# KiCad board panel.kicad_pcb (continued)
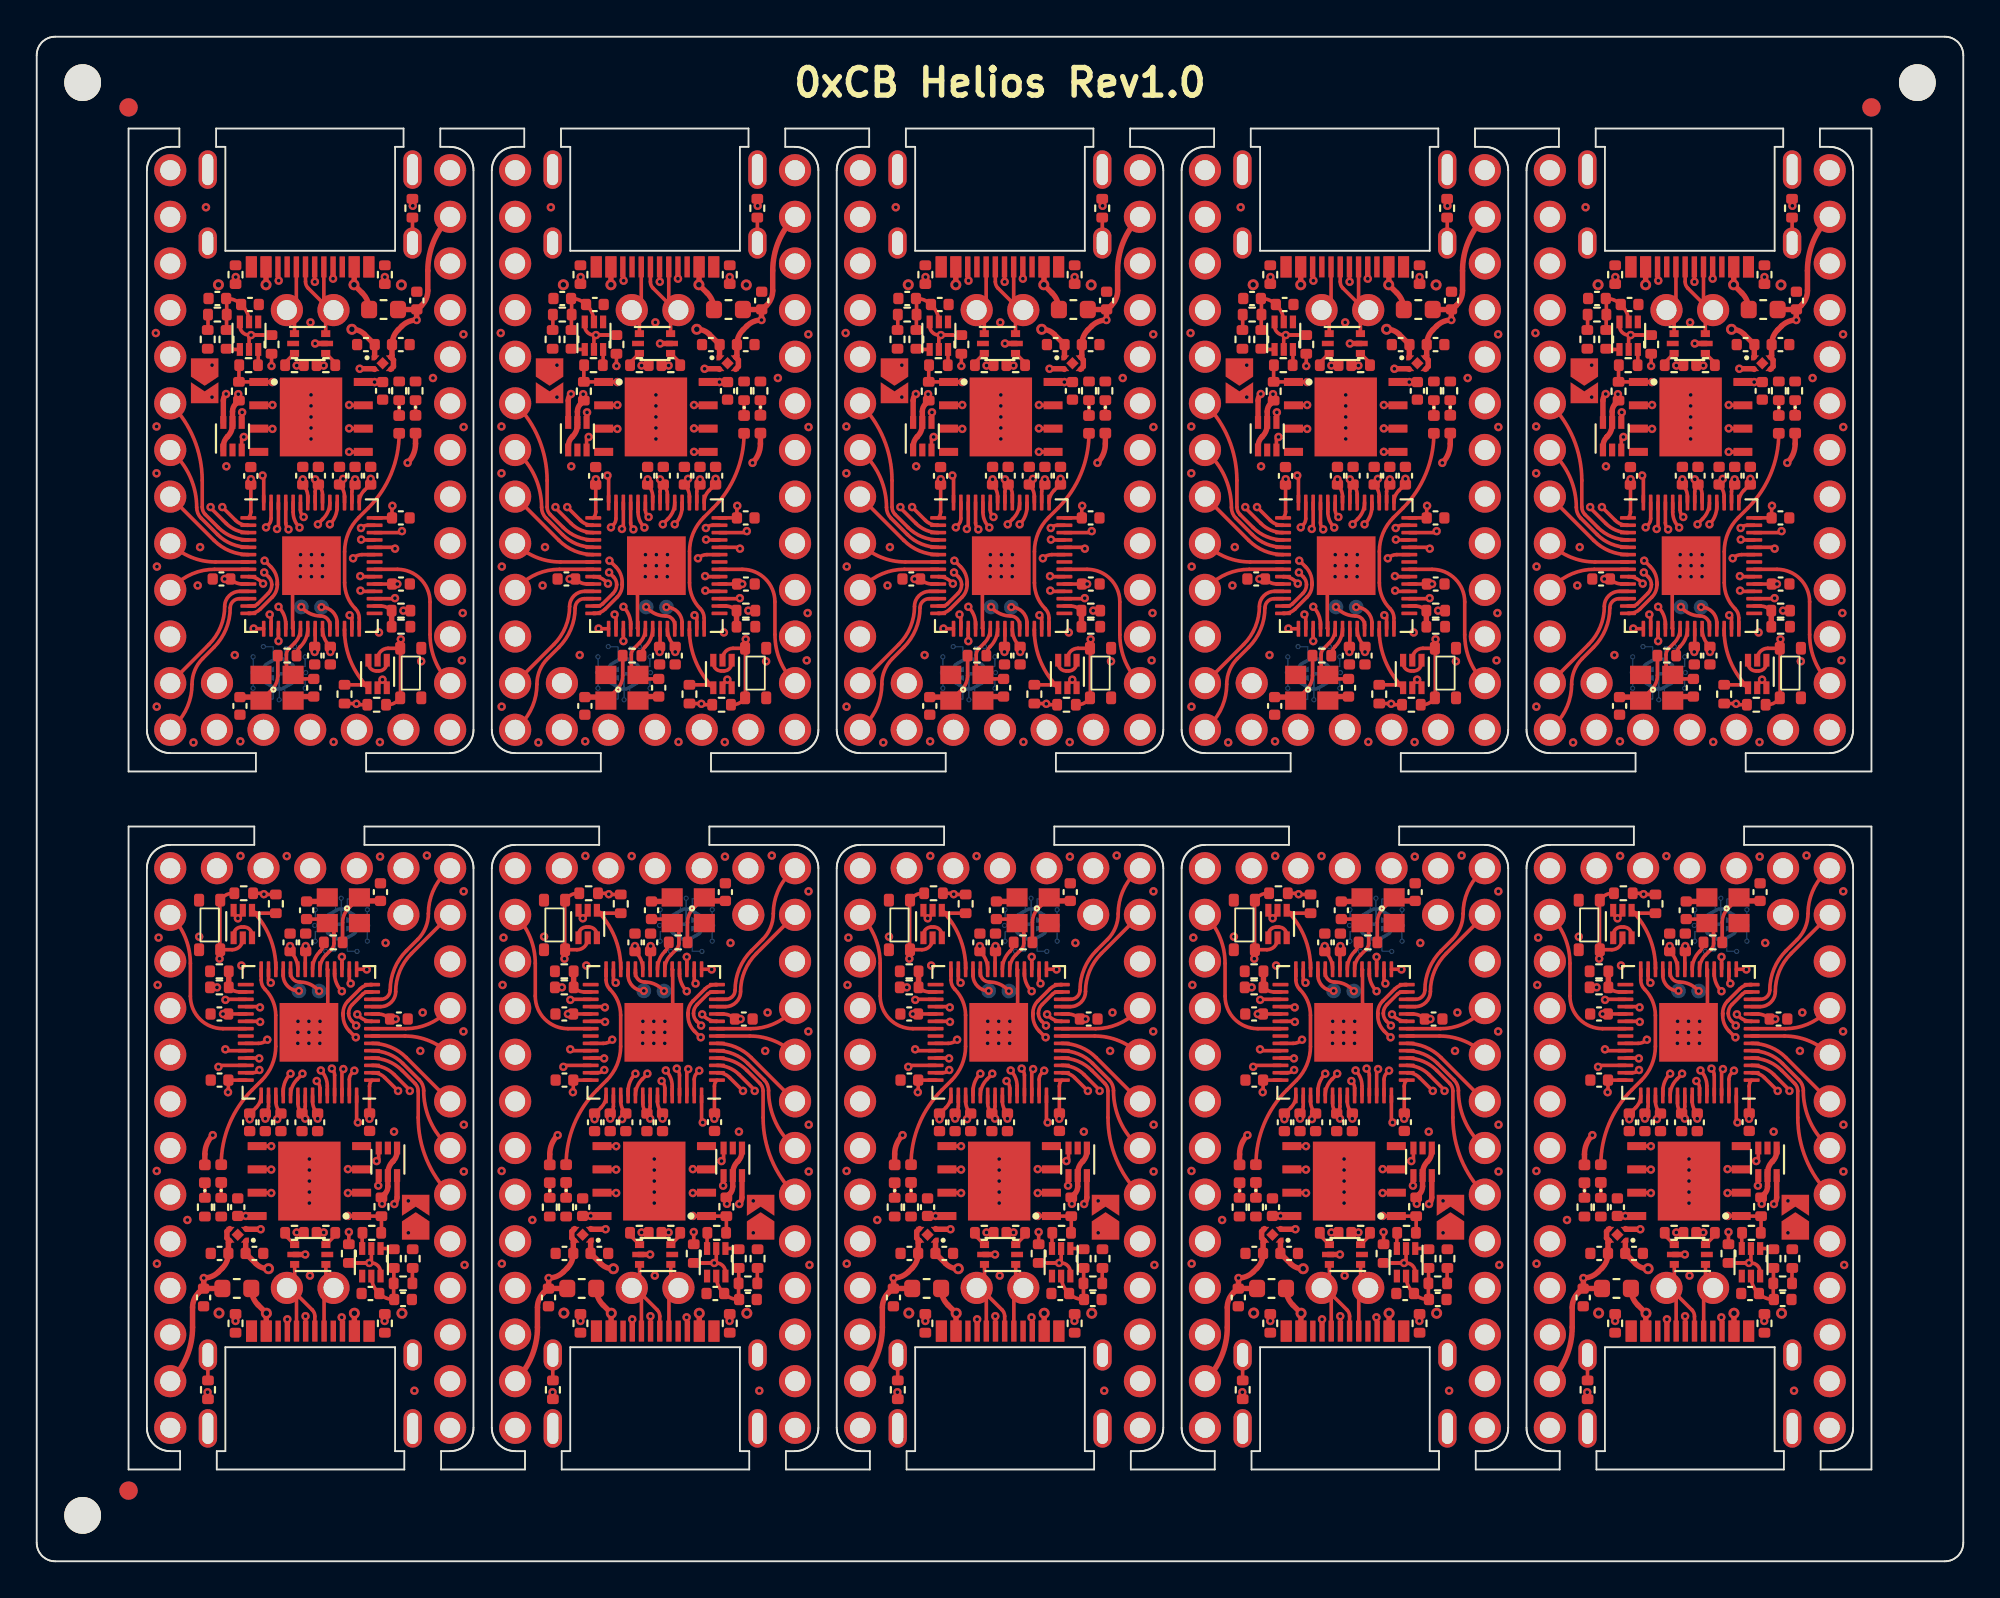
[diagram p0: board, top side]
## Copper pours and planes (outline as drawn; the poured copper is in the pictures) (continued)
Board_8-/11 on In1.Cu: 64.46,8.77 64.38,8.6 64.29,8.47 64.19,8.38 64.09,8.31 63.97,8.27 63.84,8.24 63.7,8.21 63.56,8.18 63.4,8.13 63.24,8.06 63.33,6.93 64.46,7.07 64.5,7.27 64.52,7.44 64.52,7.59 64.52,7.73 64.51,7.86 64.51,8 64.51,8.14 64.53,8.3 64.58,8.49 64.65,8.7
Board_8-/12 on In1.Cu: 75.33,36.31 75.44,36.48 75.55,36.6 75.66,36.68 75.78,36.73 75.9,36.77 76.03,36.79 76.17,36.81 76.32,36.84 76.48,36.88 76.65,36.94 76.6,38.08 75.47,37.98 75.42,37.79 75.4,37.62 75.39,37.47 75.39,37.2 75.38,37.07 75.36,36.93 75.32,36.78 75.26,36.61 75.15,36.41
Board_8-/13 on In1.Cu: 73.87,36 73.88,36.21 73.91,36.38 73.96,36.52 74.03,36.64 74.1,36.74 74.19,36.84 74.28,36.95 74.37,37.07 74.47,37.2 74.56,37.37 73.77,38.19 72.98,37.37 73.07,37.2 73.17,37.07 73.26,36.95 73.35,36.84 73.44,36.74 73.51,36.64 73.58,36.52 73.63,36.38 73.66,36.21 73.67,36
Board_8-/14 on In1.Cu: 72.36,36.39 72.26,36.59 72.2,36.76 72.17,36.92 72.15,37.06 72.14,37.19 72.15,37.32 72.15,37.46 72.14,37.61 72.12,37.78 72.08,37.98 70.94,38.08 70.88,36.95 71.05,36.88 71.21,36.84 71.36,36.81 71.5,36.79 71.63,36.77 71.75,36.73 71.86,36.67 71.97,36.59 72.08,36.46 72.18,36.3
Board_8-/15 on In1.Cu: 70,36.59 69.86,36.74 69.76,36.88 69.7,37.02 69.66,37.15 69.64,37.27 69.63,37.41 69.62,37.54 69.6,37.69 69.57,37.86 69.52,38.04 68.38,38.06 68.4,36.92 68.58,36.87 68.75,36.84 68.9,36.82 69.03,36.81 69.17,36.8 69.29,36.78 69.42,36.74 69.56,36.68 69.7,36.58 69.85,36.44
Board_8-/16 on In1.Cu: 67.44,36.53 67.31,36.7 67.22,36.86 67.16,37 67.13,37.14 67.11,37.27 67.1,37.4 67.09,37.54 67.07,37.68 67.03,37.85 66.98,38.04 65.84,38.06 65.86,36.92 66.04,36.87 66.21,36.84 66.36,36.83 66.5,36.82 66.63,36.8 66.76,36.78 66.89,36.74 67.01,36.67 67.14,36.56 67.28,36.41
Board_8-/20_SDI on In1.Cu: 64.92,31.51 64.78,31.66 64.68,31.8 64.62,31.94 64.58,32.07 64.56,32.19 64.55,32.33 64.54,32.46 64.52,32.61 64.49,32.78 64.44,32.96 63.3,32.98 63.32,31.84 63.5,31.79 63.67,31.76 63.82,31.74 63.95,31.73 64.09,31.72 64.21,31.7 64.34,31.66 64.48,31.6 64.62,31.5 64.77,31.36
Board_8-/21_CS on In1.Cu: 64.92,36.59 64.78,36.74 64.68,36.88 64.62,37.02 64.58,37.15 64.56,37.27 64.55,37.41 64.54,37.54 64.52,37.69 64.49,37.86 64.44,38.04 63.3,38.06 63.32,36.92 63.5,36.87 63.67,36.84 63.82,36.82 63.95,36.81 64.09,36.8 64.21,36.78 64.34,36.74 64.48,36.68 64.62,36.58 64.77,36.44
Board_8-/22_SCK on In1.Cu: 65.17,29.46 64.99,29.5 64.86,29.56 64.76,29.64 64.69,29.73 64.63,29.84 64.59,29.96 64.55,30.1 64.51,30.24 64.45,30.39 64.38,30.55 63.25,30.39 63.49,29.26 63.69,29.24 63.86,29.23 64.01,29.24 64.15,29.25 64.42,29.28 64.56,29.29 64.73,29.3 64.92,29.29 65.14,29.26
Board_8-/23_SDO on Top: 64.62,33.76 64.55,33.97 64.52,34.16 64.5,34.32 64.5,34.47 64.5,34.6 64.51,34.74 64.52,34.88 64.52,35.03 64.5,35.2 64.47,35.4 63.34,35.55 63.23,34.42 63.39,34.35 63.55,34.31 63.69,34.27 63.83,34.24 63.95,34.21 64.07,34.16 64.18,34.09 64.27,34 64.35,33.87 64.43,33.7
Board_8-/A0 on In1.Cu: 65.32,27.98 65.09,28 64.9,28.03 64.74,28.07 64.6,28.13 64.48,28.19 64.35,28.26 64.22,28.32 64.08,28.38 63.91,28.43 63.71,28.46 63.2,27.44 64.23,26.97 64.35,27.1 64.44,27.22 64.6,27.44 64.68,27.54 64.77,27.62 64.87,27.69 64.99,27.74 65.13,27.77 65.32,27.79
Board_8-/A1 on In1.Cu: 64.77,26.36 64.62,26.22 64.48,26.12 64.34,26.06 64.21,26.02 64.09,26 63.95,25.99 63.82,25.98 63.67,25.96 63.5,25.93 63.32,25.88 63.3,24.74 64.44,24.76 64.49,24.94 64.52,25.11 64.54,25.26 64.55,25.39 64.56,25.53 64.58,25.65 64.62,25.78 64.68,25.92 64.78,26.06 64.92,26.21
Board_8-/A2 on In1.Cu: 64.77,23.82 64.62,23.68 64.48,23.58 64.34,23.52 64.21,23.48 64.09,23.46 63.95,23.45 63.82,23.44 63.67,23.42 63.5,23.39 63.32,23.34 63.3,22.2 64.44,22.22 64.49,22.4 64.52,22.57 64.54,22.72 64.55,22.85 64.56,22.99 64.58,23.11 64.62,23.24 64.68,23.38 64.78,23.52 64.92,23.67
Board_8-/A3 on In1.Cu: 64.76,21.62 64.71,21.4 64.63,21.24 64.53,21.13 64.41,21.05 64.26,20.99 64.1,20.96 63.92,20.93 63.73,20.9 63.53,20.86 63.32,20.8 63.3,19.66 64.48,19.85 64.52,20.06 64.56,20.25 64.61,20.4 64.66,20.55 64.71,20.68 64.77,20.82 64.82,20.97 64.87,21.14 64.92,21.35 64.96,21.59
Board_8-/PORT+ on Top: 71.98,16.17 71.98,16.04 71.97,15.92 71.95,15.82 71.92,15.72 71.89,15.64 71.86,15.56 71.82,15.49 71.72,15.29 72.71,14.5 72.6,15.76 72.55,15.77 72.5,15.78 72.44,15.8 72.39,15.83 72.34,15.86 72.29,15.91 72.25,15.96 72.21,16.02 72.19,16.09 72.19,16.17
Board_8-/PORT+ on Top: 72.08,13.3 72.1,13.46 72.13,13.58 72.18,13.69 72.25,13.77 72.33,13.84 72.43,13.89 72.54,13.94 72.66,14 72.78,14.05 72.92,14.12 72.76,15.25 71.62,14.89 71.63,14.69 71.65,14.53 71.68,14.38 71.72,14.25 71.75,14.13 71.79,14 71.83,13.86 71.86,13.71 71.88,13.52 71.89,13.3
Board_8-/PORT+ on In1.Cu: 71.25,13.66 71.4,13.8 71.54,13.89 71.67,13.95 71.79,13.98 71.92,13.99 72.05,13.99 72.18,13.99 72.33,13.99 72.49,14 72.68,14.03 72.85,15.16 71.72,15.28 71.64,15.1 71.59,14.94 71.55,14.79 71.5,14.52 71.47,14.39 71.43,14.25 71.36,14.11 71.25,13.97 71.11,13.8
Board_8-/PORT- on Top: 71.36,13.82 71.21,13.98 71.11,14.13 71.04,14.27 70.99,14.4 70.96,14.53 70.91,14.81 70.87,14.96 70.82,15.12 70.74,15.3 69.61,15.15 69.8,14.03 69.98,14 70.14,14 70.29,14 70.42,14 70.55,14 70.68,13.99 70.8,13.96 70.93,13.9 71.07,13.81 71.22,13.68
Board_8-/PORT- on Top: 70.58,13.31 70.59,13.53 70.61,13.71 70.64,13.87 70.67,14.01 70.71,14.13 70.75,14.26 70.78,14.39 70.81,14.53 70.83,14.69 70.84,14.89 69.7,15.24 69.56,14.11 69.69,14.05 69.82,13.99 69.94,13.94 70.04,13.89 70.14,13.84 70.22,13.77 70.29,13.69 70.34,13.59 70.37,13.47 70.39,13.31
Board_8-/PORT- on Top: 70.28,16.17 70.28,16.09 70.26,16.02 70.22,15.96 70.18,15.91 70.13,15.86 70.08,15.83 70.02,15.8 69.97,15.78 69.92,15.77 69.87,15.76 69.75,14.51 70.74,15.28 70.64,15.48 70.61,15.55 70.57,15.63 70.55,15.72 70.52,15.82 70.5,15.92 70.49,16.04 70.48,16.17
Board_8-/RESET on In2.Cu: 64.53,16.36 64.44,16.19 64.34,16.06 64.23,15.98 64.12,15.92 64,15.88 63.87,15.85 63.73,15.83 63.58,15.8 63.42,15.76 63.25,15.69 63.33,14.56 64.46,14.67 64.5,14.87 64.52,15.04 64.53,15.19 64.52,15.33 64.52,15.46 64.52,15.59 64.54,15.74 64.57,15.89 64.63,16.07 64.71,16.27
Board_8-/RGB_5V on In2.Cu: 76.02,33.47 76.12,33.67 76.22,33.83 76.32,33.95 76.42,34.06 76.52,34.15 76.62,34.24 76.72,34.34 76.83,34.45 76.93,34.58 77.05,34.75 76.35,35.65 75.48,34.92 75.55,34.75 75.63,34.61 75.71,34.48 75.78,34.36 75.85,34.25 75.9,34.14 75.93,34.02 75.94,33.88 75.91,33.73 75.84,33.55
Board_8-GND on Top, Bottom: 83.39,1.81 58.89,1.81 58.89,41.31 83.39,41.31
Board_8-Net-(C8-Pad2) on Top: 73.15,35.11 73.2,35.25 73.27,35.35 73.34,35.43 73.42,35.49 73.51,35.53 73.6,35.57 73.71,35.59 73.82,35.62 73.94,35.65 74.07,35.69 74.09,36.34 73.44,36.32 73.39,36.18 73.34,36.06 73.29,35.96 73.25,35.86 73.16,35.68 73.12,35.58 73.07,35.47 73.01,35.34 72.96,35.17
Board_8-Net-(C8-Pad2) on Top: 74.88,36.12 74.78,36.12 74.7,36.14 74.63,36.16 74.57,36.19 74.52,36.22 74.48,36.27 74.43,36.32 74.34,36.43 74.28,36.5 73.68,36.25 73.94,35.66 74.06,35.67 74.15,35.69 74.24,35.71 74.31,35.73 74.39,35.75 74.46,35.77 74.55,35.79 74.64,35.81 74.75,35.82 74.88,35.82
Board_8-Net-(FB1-Pad1) on Top: 65.76,10.25 65.77,10.36 65.78,10.46 65.81,10.54 65.84,10.61 65.87,10.67 65.92,10.73 65.96,10.79 66.01,10.85 66.06,10.93 66.11,11.02 65.66,11.49 65.21,11.02 65.26,10.93 65.31,10.85 65.36,10.79 65.4,10.73 65.45,10.67 65.48,10.61 65.51,10.54 65.54,10.46 65.55,10.36 65.56,10.25
Board_9-+3V3 on In1.Cu, In2.Cu: 103.17,2.81 78.67,2.81 78.67,42.31 103.17,42.31
Board_9-+5V on Top: 83.2,11.33 83.12,11.16 83.03,11.03 82.94,10.93 82.83,10.87 82.72,10.82 82.6,10.78 82.47,10.75 82.33,10.72 82.18,10.67 82.02,10.6 82.11,9.47 83.24,9.61 83.28,9.81 83.3,9.97 83.31,10.12 83.31,10.26 83.31,10.39 83.32,10.53 83.33,10.67 83.36,10.83 83.4,11.01 83.48,11.22
Board_9-/0_TX0 on In1.Cu: 96.82,11.39 96.91,11.22 96.97,11.06 96.99,10.92 96.99,10.78 96.96,10.66 96.92,10.53 96.88,10.39 96.83,10.24 96.79,10.08 96.76,9.89 97.78,9.4 98.24,10.44 98.09,10.58 97.95,10.68 97.82,10.76 97.58,10.9 97.47,10.98 97.35,11.07 97.23,11.18 97.11,11.32 96.98,11.5
Board_9-/1_RX0 on In1.Cu: 96.63,13.8 96.69,13.59 96.72,13.4 96.74,13.24 96.74,13.09 96.74,12.96 96.73,12.82 96.72,12.68 96.72,12.53 96.74,12.36 96.77,12.16 97.9,12.01 98.01,13.14 97.85,13.21 97.7,13.25 97.55,13.29 97.41,13.32 97.29,13.35 97.17,13.4 97.07,13.47 96.97,13.56 96.89,13.69 96.82,13.87
Board_9-/2_SDA1 on Top: 96.5,21.33 96.6,21.13 96.66,20.96 96.69,20.8 96.71,20.66 96.71,20.53 96.71,20.4 96.71,20.26 96.72,20.11 96.74,19.94 96.78,19.74 97.92,19.64 97.98,20.77 97.81,20.84 97.65,20.88 97.5,20.91 97.36,20.93 97.23,20.95 97.11,20.99 97,21.05 96.89,21.13 96.78,21.26 96.68,21.42
Board_9-/3_SCL1 on Top: 96.49,23.86 96.57,23.66 96.63,23.48 96.67,23.33 96.69,23.19 96.69,23.05 96.7,22.92 96.7,22.78 96.71,22.64 96.74,22.47 96.79,22.28 97.92,22.18 97.97,23.32 97.8,23.38 97.64,23.42 97.49,23.44 97.35,23.46 97.21,23.48 97.09,23.51 96.97,23.57 96.86,23.65 96.76,23.78 96.67,23.95
Board_9-/4 on Top: 96.32,26.21 96.46,26.06 96.56,25.92 96.62,25.78 96.66,25.65 96.68,25.53 96.69,25.39 96.7,25.26 96.72,25.11 96.75,24.94 96.8,24.76 97.94,24.74 97.92,25.88 97.74,25.93 97.57,25.96 97.42,25.98 97.29,25.99 97.15,26 97.03,26.02 96.9,26.06 96.76,26.12 96.62,26.22 96.47,26.36
Board_9-/5 on Top: 96.11,28.38 96.28,28.31 96.41,28.23 96.51,28.14 96.58,28.04 96.62,27.92 96.66,27.8 96.69,27.66 96.73,27.52 96.78,27.36 96.84,27.2 97.98,27.32 97.81,28.45 97.61,28.48 97.44,28.5 97.29,28.5 97.15,28.49 97.02,28.48 96.88,28.47 96.73,28.47 96.57,28.48 96.38,28.51 96.16,28.57
Board_9-/6 on Top: 96.22,29.07 96.43,29.13 96.62,29.17 96.78,29.19 96.92,29.2 97.05,29.2 97.19,29.2 97.32,29.21 97.47,29.22 97.64,29.24 97.84,29.28 97.97,30.41 96.83,30.49 96.77,30.33 96.73,30.17 96.7,30.02 96.67,29.88 96.65,29.74 96.61,29.62 96.55,29.51 96.46,29.42 96.33,29.33 96.15,29.26
Board_9-/7 on In2.Cu: 95.94,32.28 96.13,32.34 96.29,32.35 96.42,32.34 96.55,32.3 96.66,32.24 96.77,32.17 96.88,32.09 97.01,32.01 97.15,31.93 97.32,31.85 98.07,32.71 97.18,33.42 97.02,33.32 96.88,33.21 96.77,33.11 96.68,33.01 96.58,32.91 96.49,32.82 96.38,32.73 96.24,32.64 96.08,32.55 95.87,32.47
Board_9-/8 on Top: 96.47,33.9 96.62,34.04 96.76,34.14 96.9,34.2 97.03,34.24 97.15,34.26 97.29,34.27 97.42,34.28 97.57,34.3 97.74,34.33 97.92,34.38 97.94,35.52 96.8,35.5 96.75,35.32 96.72,35.15 96.7,35 96.69,34.87 96.68,34.73 96.66,34.61 96.62,34.48 96.56,34.34 96.46,34.2 96.32,34.05
Board_9-/9 on Top: 96.72,36.29 96.8,36.47 96.89,36.59 96.99,36.68 97.1,36.74 97.23,36.78 97.36,36.8 97.5,36.82 97.65,36.85 97.81,36.89 97.98,36.95 97.91,38.08 96.78,37.97 96.74,37.78 96.71,37.61 96.7,37.46 96.69,37.32 96.69,37.19 96.69,37.06 96.67,36.91 96.65,36.75 96.6,36.57 96.53,36.36
Board_9-/10 on In2.Cu: 96.58,8.69 96.66,8.48 96.7,8.3 96.72,8.14 96.73,8 96.73,7.86 96.72,7.73 96.72,7.59 96.72,7.44 96.74,7.27 96.78,7.07 97.91,6.93 98,8.06 97.84,8.13 97.68,8.18 97.53,8.21 97.4,8.24 97.27,8.27 97.15,8.31 97.04,8.37 96.94,8.47 96.85,8.59 96.77,8.77
Board_9-/11 on In1.Cu: 83.24,8.77 83.16,8.6 83.07,8.47 82.97,8.38 82.87,8.31 82.75,8.27 82.62,8.24 82.48,8.21 82.34,8.18 82.18,8.13 82.02,8.06 82.11,6.93 83.24,7.07 83.28,7.27 83.3,7.44 83.3,7.59 83.3,7.73 83.29,7.86 83.29,8 83.29,8.14 83.31,8.3 83.36,8.49 83.43,8.7
Board_9-/12 on In1.Cu: 94.11,36.31 94.22,36.48 94.33,36.6 94.44,36.68 94.56,36.73 94.68,36.77 94.81,36.79 94.95,36.81 95.1,36.84 95.26,36.88 95.43,36.94 95.38,38.08 94.25,37.98 94.2,37.79 94.18,37.62 94.17,37.47 94.17,37.2 94.16,37.07 94.14,36.93 94.1,36.78 94.04,36.61 93.93,36.41
Board_9-/13 on In1.Cu: 92.65,36 92.66,36.21 92.69,36.38 92.74,36.52 92.81,36.64 92.88,36.74 92.97,36.84 93.06,36.95 93.15,37.07 93.25,37.2 93.34,37.37 92.55,38.19 91.76,37.37 91.85,37.2 91.95,37.07 92.04,36.95 92.13,36.84 92.22,36.74 92.29,36.64 92.36,36.52 92.41,36.38 92.44,36.21 92.45,36
Board_9-/14 on In1.Cu: 91.14,36.39 91.04,36.59 90.98,36.76 90.95,36.92 90.93,37.06 90.92,37.19 90.93,37.32 90.93,37.46 90.92,37.61 90.9,37.78 90.86,37.98 89.72,38.08 89.66,36.95 89.83,36.88 89.99,36.84 90.14,36.81 90.28,36.79 90.41,36.77 90.53,36.73 90.64,36.67 90.75,36.59 90.86,36.46 90.96,36.3
Board_9-/15 on In1.Cu: 88.78,36.59 88.64,36.74 88.54,36.88 88.48,37.02 88.44,37.15 88.42,37.27 88.41,37.41 88.4,37.54 88.38,37.69 88.35,37.86 88.3,38.04 87.16,38.06 87.18,36.92 87.36,36.87 87.53,36.84 87.68,36.82 87.81,36.81 87.95,36.8 88.07,36.78 88.2,36.74 88.34,36.68 88.48,36.58 88.63,36.44
Board_9-/16 on In1.Cu: 86.22,36.53 86.09,36.7 86,36.86 85.94,37 85.91,37.14 85.89,37.27 85.88,37.4 85.87,37.54 85.85,37.68 85.81,37.85 85.76,38.04 84.62,38.06 84.64,36.92 84.82,36.87 84.99,36.84 85.14,36.83 85.28,36.82 85.41,36.8 85.54,36.78 85.67,36.74 85.79,36.67 85.92,36.56 86.06,36.41
Board_9-/20_SDI on In1.Cu: 83.7,31.51 83.56,31.66 83.46,31.8 83.4,31.94 83.36,32.07 83.34,32.19 83.33,32.33 83.32,32.46 83.3,32.61 83.27,32.78 83.22,32.96 82.08,32.98 82.1,31.84 82.28,31.79 82.45,31.76 82.6,31.74 82.73,31.73 82.87,31.72 82.99,31.7 83.12,31.66 83.26,31.6 83.4,31.5 83.55,31.36
Board_9-/21_CS on In1.Cu: 83.7,36.59 83.56,36.74 83.46,36.88 83.4,37.02 83.36,37.15 83.34,37.27 83.33,37.41 83.32,37.54 83.3,37.69 83.27,37.86 83.22,38.04 82.08,38.06 82.1,36.92 82.28,36.87 82.45,36.84 82.6,36.82 82.73,36.81 82.87,36.8 82.99,36.78 83.12,36.74 83.26,36.68 83.4,36.58 83.55,36.44
Board_9-/22_SCK on In1.Cu: 83.95,29.46 83.77,29.5 83.64,29.56 83.54,29.64 83.47,29.73 83.41,29.84 83.37,29.96 83.33,30.1 83.29,30.24 83.23,30.39 83.16,30.55 82.03,30.39 82.27,29.26 82.47,29.24 82.64,29.23 82.79,29.24 82.93,29.25 83.2,29.28 83.34,29.29 83.51,29.3 83.7,29.29 83.92,29.26
Board_9-/23_SDO on Top: 83.4,33.76 83.33,33.97 83.3,34.16 83.28,34.32 83.28,34.47 83.28,34.6 83.29,34.74 83.3,34.88 83.3,35.03 83.28,35.2 83.25,35.4 82.12,35.55 82.01,34.42 82.17,34.35 82.33,34.31 82.47,34.27 82.61,34.24 82.73,34.21 82.85,34.16 82.96,34.09 83.05,34 83.13,33.87 83.21,33.7
Board_9-/A0 on In1.Cu: 84.1,27.98 83.87,28 83.68,28.03 83.52,28.07 83.38,28.13 83.26,28.19 83.13,28.26 83,28.32 82.86,28.38 82.69,28.43 82.49,28.46 81.98,27.44 83.01,26.97 83.13,27.1 83.22,27.22 83.38,27.44 83.46,27.54 83.55,27.62 83.65,27.69 83.77,27.74 83.91,27.77 84.1,27.79
Board_9-/A1 on In1.Cu: 83.55,26.36 83.4,26.22 83.26,26.12 83.12,26.06 82.99,26.02 82.87,26 82.73,25.99 82.6,25.98 82.45,25.96 82.28,25.93 82.1,25.88 82.08,24.74 83.22,24.76 83.27,24.94 83.3,25.11 83.32,25.26 83.33,25.39 83.34,25.53 83.36,25.65 83.4,25.78 83.46,25.92 83.56,26.06 83.7,26.21
Board_9-/A2 on In1.Cu: 83.55,23.82 83.4,23.68 83.26,23.58 83.12,23.52 82.99,23.48 82.87,23.46 82.73,23.45 82.6,23.44 82.45,23.42 82.28,23.39 82.1,23.34 82.08,22.2 83.22,22.22 83.27,22.4 83.3,22.57 83.32,22.72 83.33,22.85 83.34,22.99 83.36,23.11 83.4,23.24 83.46,23.38 83.56,23.52 83.7,23.67
Board_9-/A3 on In1.Cu: 83.54,21.62 83.49,21.4 83.41,21.24 83.31,21.13 83.19,21.05 83.04,20.99 82.88,20.96 82.7,20.93 82.51,20.9 82.31,20.86 82.1,20.8 82.08,19.66 83.26,19.85 83.3,20.06 83.34,20.25 83.39,20.4 83.44,20.55 83.49,20.68 83.55,20.82 83.6,20.97 83.65,21.14 83.7,21.35 83.74,21.59
Board_9-/PORT+ on Top: 90.86,13.3 90.88,13.46 90.91,13.58 90.96,13.69 91.03,13.77 91.11,13.84 91.21,13.89 91.32,13.94 91.44,14 91.56,14.05 91.7,14.12 91.54,15.25 90.4,14.89 90.41,14.69 90.43,14.53 90.46,14.38 90.5,14.25 90.53,14.13 90.57,14 90.61,13.86 90.64,13.71 90.66,13.52 90.67,13.3
Board_9-/PORT+ on Top: 90.77,16.17 90.76,16.04 90.75,15.92 90.73,15.82 90.7,15.72 90.67,15.64 90.64,15.56 90.6,15.49 90.5,15.29 91.49,14.5 91.38,15.76 91.33,15.77 91.28,15.78 91.22,15.8 91.17,15.83 91.12,15.86 91.07,15.91 91.03,15.96 90.99,16.02 90.97,16.09 90.97,16.17
Board_9-/PORT+ on In1.Cu: 90.03,13.66 90.18,13.8 90.32,13.89 90.45,13.95 90.57,13.98 90.7,13.99 90.83,13.99 90.96,13.99 91.11,13.99 91.27,14 91.46,14.03 91.63,15.16 90.5,15.28 90.42,15.1 90.37,14.94 90.33,14.79 90.28,14.52 90.25,14.39 90.21,14.25 90.14,14.11 90.03,13.97 89.89,13.8
Board_9-/PORT- on Top: 90.14,13.82 89.99,13.98 89.89,14.13 89.82,14.27 89.77,14.4 89.74,14.53 89.69,14.81 89.65,14.96 89.6,15.12 89.52,15.3 88.39,15.15 88.58,14.03 88.76,14 88.92,14 89.07,14 89.2,14 89.33,14 89.46,13.99 89.58,13.96 89.71,13.9 89.85,13.81 90,13.68
Board_9-/PORT- on Top: 89.06,16.17 89.06,16.09 89.04,16.02 89,15.96 88.96,15.91 88.91,15.86 88.86,15.83 88.8,15.8 88.75,15.78 88.7,15.77 88.65,15.76 88.53,14.51 89.52,15.28 89.42,15.48 89.39,15.55 89.35,15.63 89.33,15.72 89.3,15.82 89.28,15.92 89.27,16.04 89.27,16.17
Board_9-/PORT- on Top: 89.36,13.31 89.37,13.53 89.39,13.71 89.42,13.87 89.45,14.01 89.49,14.13 89.53,14.26 89.56,14.39 89.59,14.53 89.61,14.69 89.62,14.89 88.48,15.24 88.34,14.11 88.47,14.05 88.6,13.99 88.72,13.94 88.82,13.89 88.92,13.84 89,13.77 89.07,13.69 89.12,13.59 89.15,13.47 89.17,13.31
Board_9-/RESET on In2.Cu: 83.31,16.36 83.22,16.19 83.12,16.06 83.01,15.98 82.9,15.92 82.78,15.88 82.65,15.85 82.51,15.83 82.36,15.8 82.2,15.76 82.03,15.69 82.11,14.56 83.24,14.67 83.28,14.87 83.3,15.04 83.31,15.19 83.3,15.33 83.3,15.46 83.3,15.59 83.32,15.74 83.35,15.89 83.41,16.07 83.49,16.27
Board_9-/RGB_5V on In2.Cu: 94.8,33.47 94.9,33.67 95,33.83 95.1,33.95 95.2,34.06 95.3,34.15 95.4,34.24 95.5,34.34 95.61,34.45 95.71,34.58 95.83,34.75 95.13,35.65 94.26,34.92 94.33,34.75 94.41,34.61 94.49,34.48 94.56,34.36 94.63,34.25 94.68,34.14 94.71,34.02 94.72,33.88 94.69,33.73 94.62,33.55
Board_9-GND on Top, Bottom: 102.17,1.81 77.67,1.81 77.67,41.31 102.17,41.31
Board_9-Net-(C8-Pad2) on Top: 91.93,35.11 91.98,35.25 92.05,35.35 92.12,35.43 92.2,35.49 92.29,35.53 92.38,35.57 92.49,35.59 92.6,35.62 92.72,35.65 92.85,35.69 92.87,36.34 92.22,36.32 92.17,36.18 92.12,36.06 92.07,35.96 92.03,35.86 91.94,35.68 91.9,35.58 91.85,35.47 91.79,35.34 91.74,35.17
Board_9-Net-(C8-Pad2) on Top: 93.66,36.12 93.56,36.12 93.48,36.14 93.41,36.16 93.35,36.19 93.3,36.22 93.26,36.27 93.21,36.32 93.12,36.43 93.06,36.5 92.46,36.25 92.72,35.66 92.84,35.67 92.93,35.69 93.02,35.71 93.09,35.73 93.17,35.75 93.24,35.77 93.33,35.79 93.42,35.81 93.53,35.82 93.66,35.82
Board_9-Net-(FB1-Pad1) on Top: 84.54,10.25 84.55,10.36 84.56,10.46 84.59,10.54 84.62,10.61 84.65,10.67 84.7,10.73 84.74,10.79 84.79,10.85 84.84,10.93 84.89,11.02 84.44,11.49 83.99,11.02 84.04,10.93 84.09,10.85 84.14,10.79 84.18,10.73 84.23,10.67 84.26,10.61 84.29,10.54 84.32,10.46 84.33,10.36 84.34,10.25

Small or netless copper shapes (teardrops, artwork), in the pictures only: 1830 on Top, 320 on In1.Cu, 250 on In2.Cu

## Text on the board
User.Comments: V-CUT
F.Silkscreen: 0xCB Helios Rev1.0
